# Altium PCB 191015 PCB (REV0-1).PcbDoc (part 1 of 2) (continued)
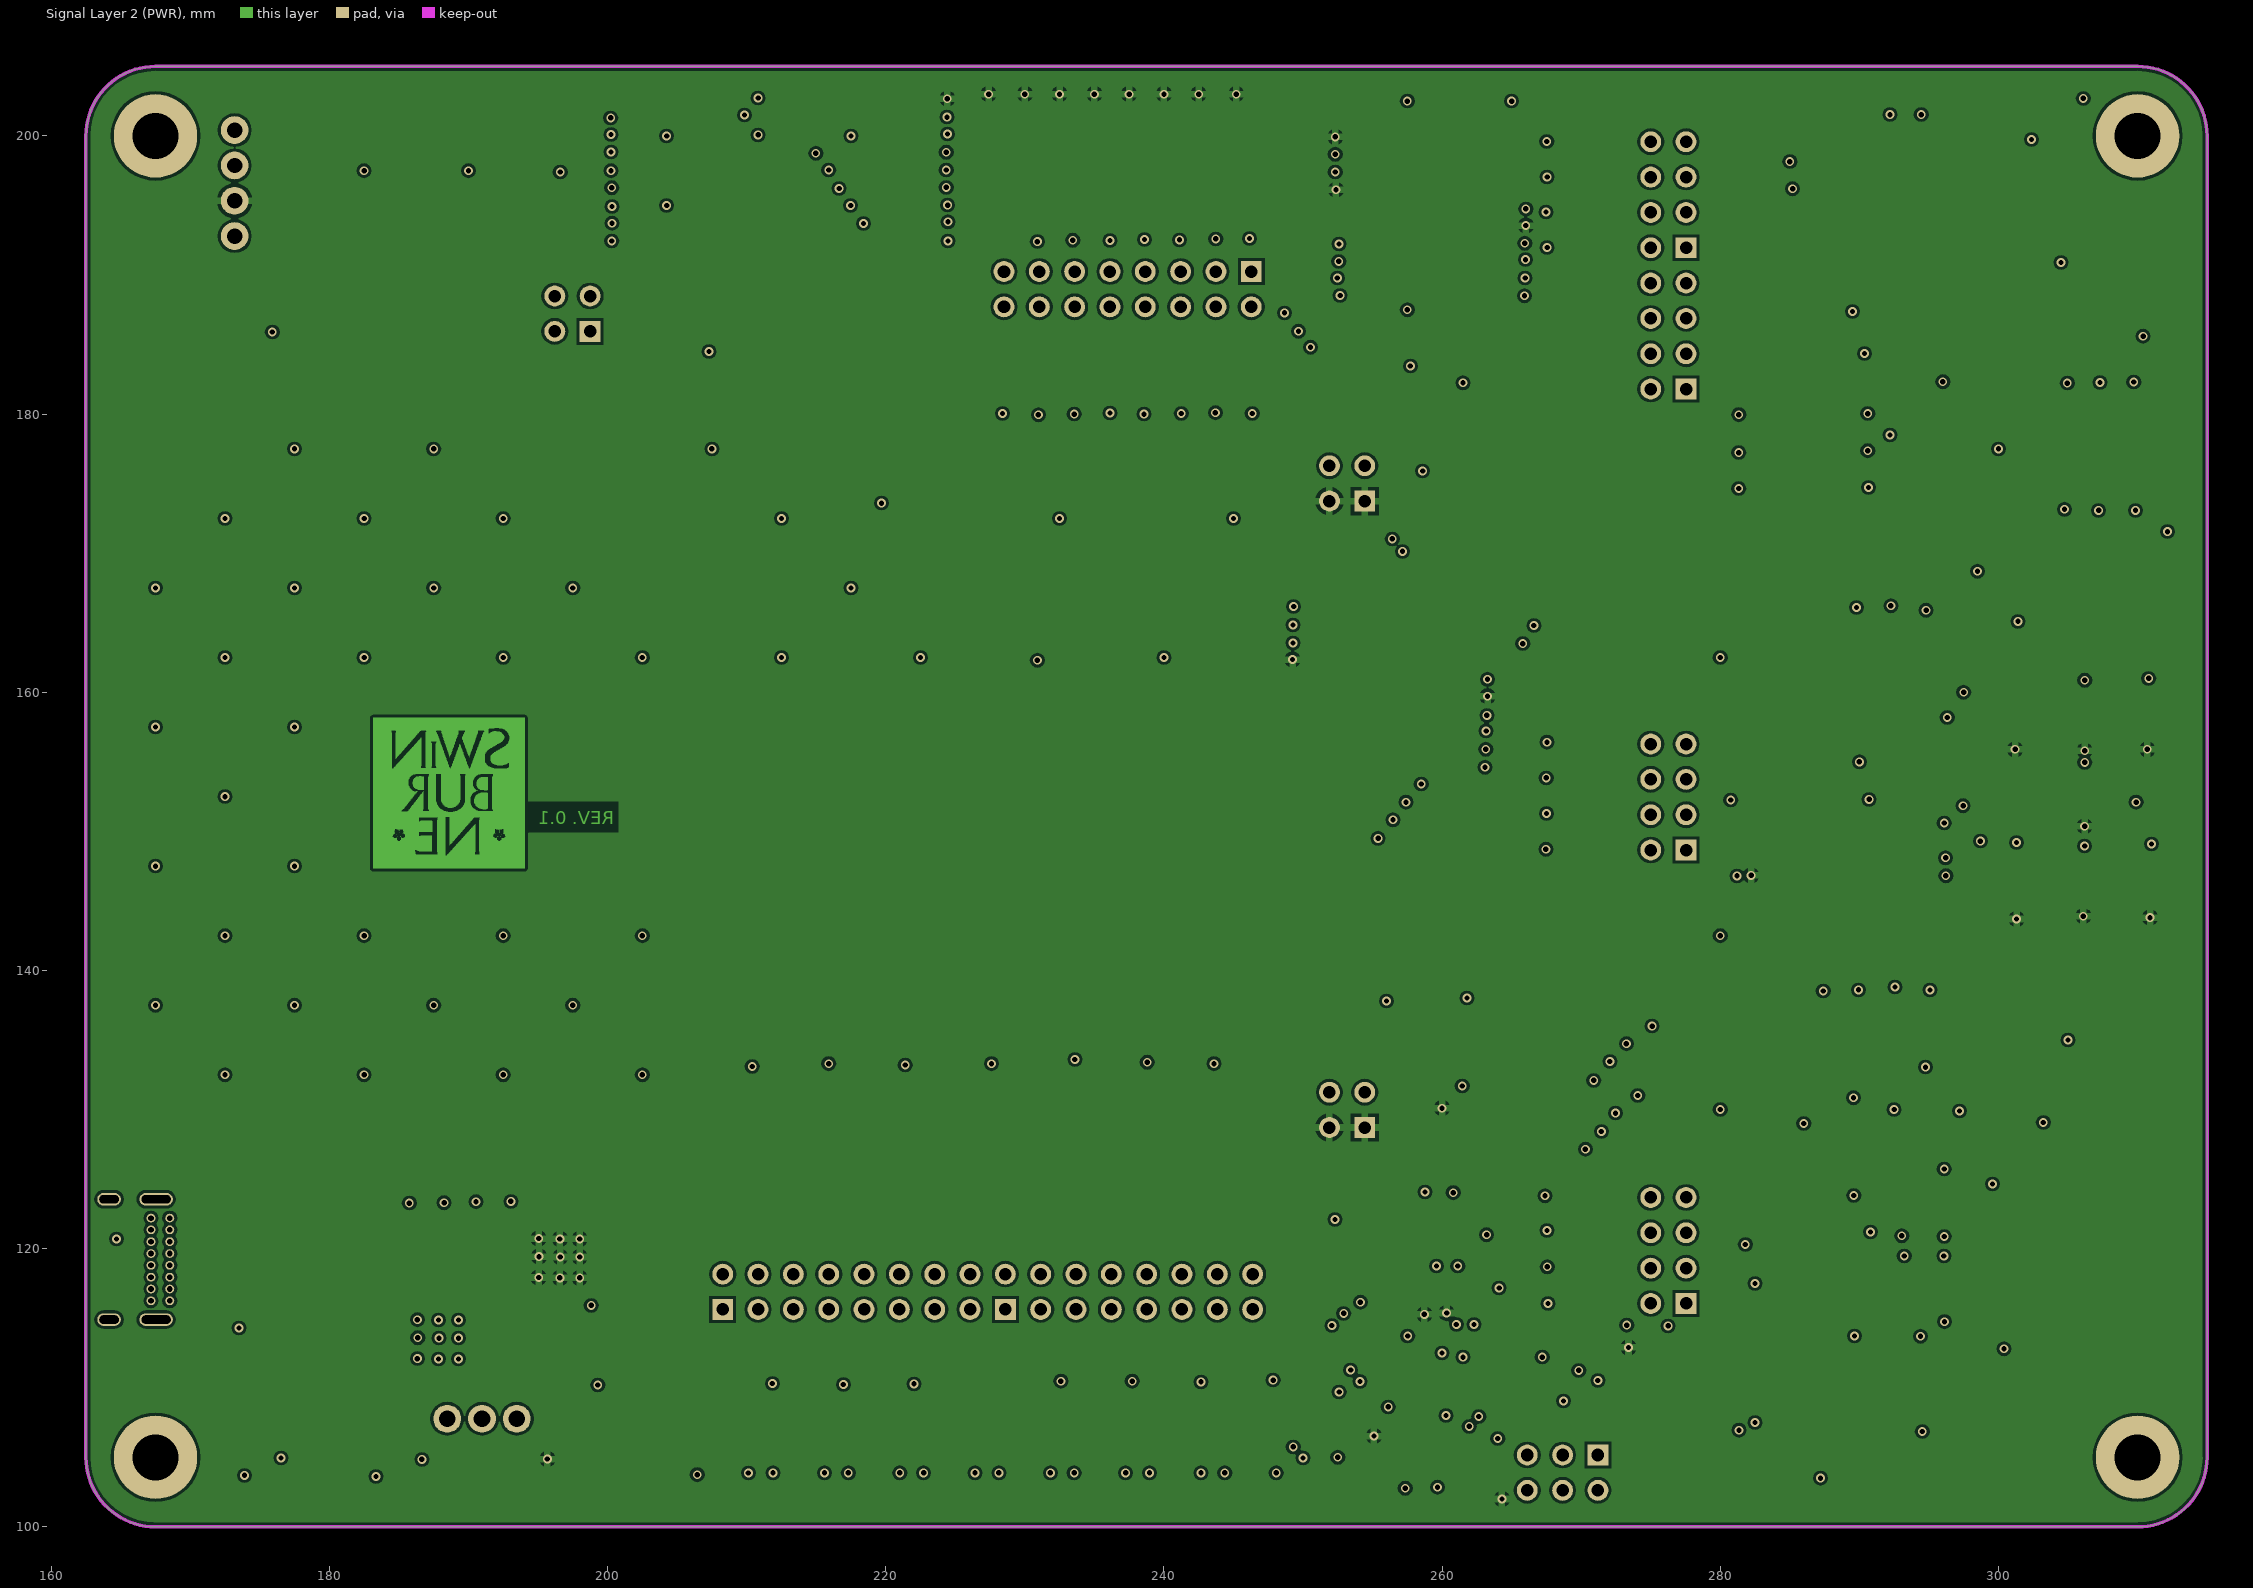
[diagram p3: Signal Layer 2 (PWR)]
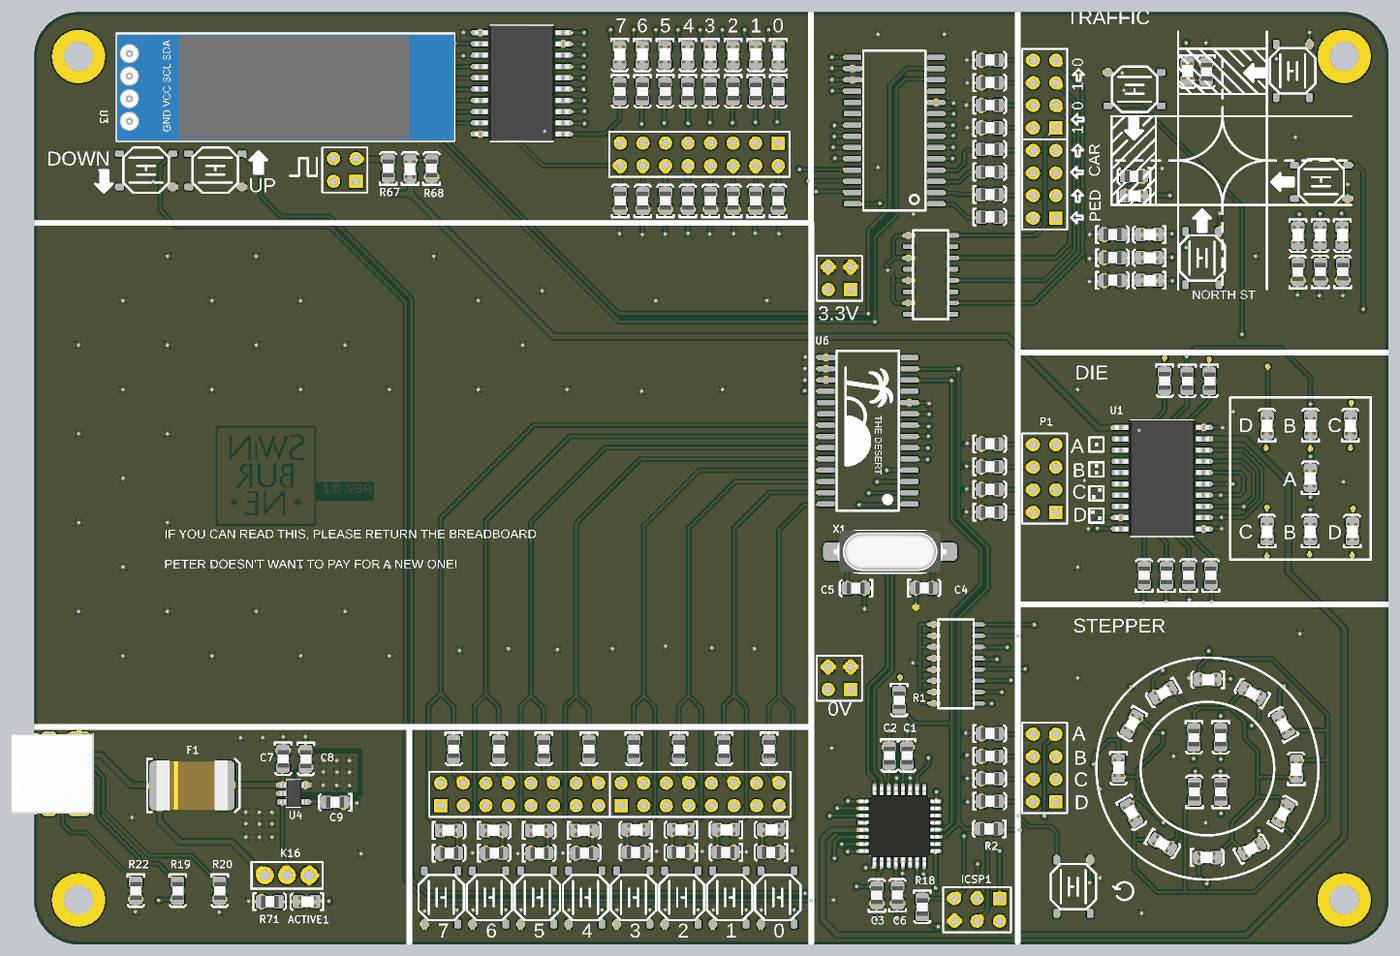
[diagram p5: 3D render of the assembled board from above, using the file's embedded part models]

## Layer stack, top to bottom
Top Solder: solder mask 0.015, Solder Resist, Dk 3.8
Top Copper: signal copper 0.035
Dielectric 1: prepreg 0.1295, PP-017, Dk 4.6
Signal Layer 1 (GND): signal copper 0.035
Core: core 1.065, Core-039, Dk 4.5
Signal Layer 2 (PWR): signal copper 0.035
Dielectric 5: prepreg 0.1295, PP-017, Dk 4.6
Bottom Copper: signal copper 0.035
Bottom Solder: solder mask 0.015, Solder Resist, Dk 3.8

## Board outline
162.5,105 ccw(c167.5,105) 167.5,100 310,100 ccw(c310,105) 315,105 315,200 ccw(c310,200) 310,205 167.5,205 ccw(c167.5,200) 162.5,200

## Design rules (kind name [scope] priority, off if disabled: settings)
BoardOutlineClearance [All] p1: gap=0.2 ignorepadtopadclearanceinfootprint=FALSE except(0.4: Arc-SplitBarrior Arc-SplitContinuation Track-SplitBarrior Track-SplitContinuation SMDPad-SplitBarrior SMDPad-SplitContinuation THPad-SplitBarrior THPad-SplitContinuation Via-SplitBarrior Via-SplitContinuation Fill-SplitBarrior Fill-SplitContinuation Poly-SplitBarrior Poly-SplitContinuation Region-SplitBarrior Region-SplitContinuation Text-SplitBarrior Text-SplitContinuation)
Clearance "Clearance Bottom Layer" [OnLayer('Bottom Layer')] p1: gap=0.203 ignorepadtopadclearanceinfootprint=TRUE except(0.254: Arc-Text Track-Text SMDPad-Text THPad-Text Via-Text Fill-Text Poly-Text Region-Text Text-Text)
Clearance "Clearance Top Layer" [OnLayer('Top Layer')] p2: gap=0.203 ignorepadtopadclearanceinfootprint=TRUE except(0.254: Arc-Text Track-Text SMDPad-Text THPad-Text Via-Text Fill-Text Poly-Text Region-Text Text-Text)
Clearance [All] p3: gap=0.2 ignorepadtopadclearanceinfootprint=FALSE except(0.089: Arc-Arc Arc-Track Arc-SMDPad Track-Track Track-SMDPad SMDPad-SMDPad; 0.127: Arc-Via Track-Via SMDPad-Via THPad-Via Via-Via; 0.254: Arc-Text Track-Text SMDPad-Text THPad-Text Via-Text Fill-Text Poly-Text Region-Text Text-Text; 0.6: Poly-Poly)
HoleSize [All] p1: absolutevalues=TRUE maxlimit=6.3 minlimit=0.2 maxpercent=80.000 minpercent=20.000
MinimumAnnularRing [All] p1: minimumring=0.076
MinimumSolderMaskSliver [All] p1: minsoldermaskwidth=0.1
PolygonConnect PolygonConnect_1 [All] p1: connectstyle=Relief reliefconductorwidth=0.508 reliefentries=4 polygonreliefangle="90 Angle" airgapwidth=0.254
RoutingCorners [All] p1: cornerstyle=Round minsetback=2.54 maxsetback=2.54
RoutingVias [All] p1: holewidth=0.5 width=1 viastyle="Through Hole" minholewidth=0.2 minwidth=0.45 maxholewidth=1 maxwidth=2
SilkToSilkClearance [All] p1: silktosilkclearance=0.1
SilkToSolderMaskClearance [IsPad] p1: minsilkscreentomaskgap=0.1 clearancetoexposedcopper=TRUE
SolderMaskExpansion [All] p1: expansion=0.102
Width [All] p1: maxlimit=2.54 minlimit=0.089 preferedwidth=0.381
25 further rules are at their usual default settings.

## Classes and differential pairs
component class "190822 Top Level": R1 R2
component class U_Display: D45 FREQUENCY1 R67 R68 U3
component class "U_Input Buttons": K1 K2 K3 K4 K5 K6 K7
component class "U_Input Pins": R14 R15 R16 R17 "STEPPER INPUT1"
component class U_Microcontroller: "BRUCE SPRINGSTEEN1" C1 C2 C3 C4 C5 C6 ICSP1 R18 X1
component class "U_Power Supply (Alternate)": ACTIVE1 C7 C8 C9 F1 K16 "POWER 1" "POWER 2" R19 R20 R22 R71 U4 USB1
component class "U_Traffic Intersection": D9 D10 D11 D12 D13 D14 D15 D16 R23 R24 R25 R26 R27 R28 R29 R30 R31 R32 R33 R34 R35 R36 R37 R38 "TRAFFIC EXPANDER1" "TRAFFIC INPUT1" "TRAFFIC OUTPUT1" U5
component class "U_Dice Module": D1 D2 D3 D4 D5 D6 D7 P1 R3 R4 R5 R6 R7 R8 R9 R10 R11 R12 R13 U1 U2
component class "U_Stepper Motor": D33 D34 D35 D36 D37 D38 D39 D40 D41 D42 D43 D44 R63 R64 R65 R66
component class "U_The Fun Buttons' Friends": D17 D18 D19 D20 D21 D22 D23 D24 "FUN BUTTON OUTPUT1" "FUN BUTTON OUTPUT2" K8 K9 K10 K11 K12 K13 K14 K15 R21 R39 R40 R41 R42 R43 R44 R45 R46 R69 R70 R72 R73 R74 R75 R76 U6
component class "U_The Lights": D25 D26 D27 D28 D29 D30 D31 D32 "LIGHTS INPUT1" R47 R48 R49 R50 R51 R52 R53 R54 R55 R56 R57 R58 R59 R60 R61 R62 U7 U8

## Components (designator, comment, footprint, x,y, rotation, side; value= is the part's Value field where it differs from the comment)
ACTIVE1 "Red" "0805 LED" 193.175,104.8 r180 top
"BRUCE SPRINGSTEEN1" "ATMEGA 328P-AU" "ATMEL TQFP-32" 259.923,113.309 r270 top
C1 "1uF" 0805 260.798,121.259 r270 top
C2 "4.7uF" 0805 258.798,121.259 r270 top
C3 "1uF" 0805 257.374,105.537 r90 top
C4 "22pF" 0805 262.73,140.147 r0 top
C5 "22pF" 0805 255.005,140.097 r180 top
C6 "100nF" 0805 259.699,105.562 r90 top
C7 "1uF" 0805 190.54,120.9 r270 top
C8 "1uF" 0805 193.091,120.863 r270 top
C9 "10nF" 0805 196.363,115.989 r180 top
D1 "Red" "0805 LED" 310.9,146.575 r90 top
D2 "Red" "0805 LED" 306.175,146.575 r90 top
D3 "Red" "0805 LED" 301.3,146.575 r90 top
D4 "Red" "0805 LED" 306.175,152.575 r90 top
D5 "Red" "0805 LED" 310.7,158.5 r90 top
D6 "Red" "0805 LED" 306.199,158.5 r90 top
D7 "Red" "0805 LED" 301.3,158.5 r90 top
D9 "Red" "0805 LED" 309.8,179.804 r270 top
D10 "Red" "0805 LED" 307.3,179.804 r270 top
D11 "Red" "0805 LED" 304.8,179.804 r270 top
D12 "Red" "0805 LED" 286.3,184.279 r180 top
D13 "Red" "0805 LED" 288.025,174.779 r180 top
D14 "Red" "0805 LED" 288.025,177.329 r180 top
D15 "Red" "0805 LED" 288.025,179.929 r180 top
D16 "Red" "0805 LED" 292.375,198.279 r270 top
D17 "Red" "0805 LED" 245.43,112.907 r180 top
D18 "Red" "0805 LED" 240.356,112.907 r180 top
D19 "Red" "0805 LED" 235.281,112.907 r180 top
D20 "Red" "0805 LED" 230.207,112.907 r180 top
D21 "Red" "0805 LED" 224.456,112.84 r0 top
D22 "Red" "0805 LED" 219.382,112.84 r0 top
D23 "Red" "0805 LED" 214.307,112.84 r0 top
D24 "Red" "0805 LED" 209.233,112.84 r0 top
D25 "Red" "0805 LED" 228.428,200.139 r270 top
D26 "Red" "0805 LED" 230.983,200.139 r270 top
D27 "Red" "0805 LED" 233.537,200.139 r270 top
D28 "Red" "0805 LED" 236.092,200.139 r270 top
D29 "Red" "0805 LED" 238.646,200.139 r270 top
D30 "Red" "0805 LED" 241.2,200.139 r270 top
D31 "Red" "0805 LED" 243.755,200.139 r270 top
D32 "Red" "0805 LED" 246.309,200.139 r270 top
D33 "Red" "0805 LED" 294.6,109.8 r0 top
D34 "Red" "0805 LED" 299.6,110.8 r30 top
D35 "Red" "0805 LED" 303.1,114.8 r60 top
D36 "Red" "0805 LED" 304.6,119.8 r90 top
D37 "Red" "0805 LED" 303.1,124.8 r120 top
D38 "Red" "0805 LED" 299.6,128.3 r150 top
D39 "Red" "0805 LED" 294.6,129.8 r180 top
D40 "Red" "0805 LED" 289.6,128.3 r210 top
D41 "Red" "0805 LED" 286.1,124.8 r240 top
D42 "Red" "0805 LED" 284.6,119.8 r270 top
D43 "Red" "0805 LED" 286.1,114.8 r300 top
D44 "Red" "0805 LED" 289.6,111.3 r330 top
D45 "LED" "0805 LED" 204.8,187.4 r90 top
F1 "0ZCF0100AF2A" 2920 176.625,117.9 r0 top
FREQUENCY1 "2.54mm" "Header 2x2" 198.75,185.95 r90 top
"FUN BUTTON OUTPUT1" "Header 2x8" "Header 2x8" 208.28,115.63 r0 top
"FUN BUTTON OUTPUT2" "Header 2x8" "Header 2x8" 228.6,115.63 r0 top
ICSP1 "2.54mm" "Header 2x3" 271.205,105.165 r180 top
K1 "TS-1187A-C-D-B" "XKB SW-4.5" 307.4,185.9 r0 top
K2 "TS-1187A-C-D-B" "XKB SW-4.5" 294,177.3 r90 top
K3 "TS-1187A-C-D-B" "XKB SW-4.5" 304.2,198.379 r90 top
K4 "TS-1187A-C-D-B" "XKB SW-4.5" 286.4,196.3 r180 top
K5 "TS-1187A-C-D-B" "XKB SW-4.5" 279.5,106.5 r90 top
K6 "TS-1187A-C-D-B" "XKB SW-4.5" 175.1,187.2 r0 top
K7 "TS-1187A-C-D-B" "XKB SW-4.5" 182.9,187.2 r0 top
K8 "TS-1187A-C-D-B" "XKB SW-4.5" 208.337,105.283 r270 top
K9 "TS-1187A-C-D-B" "XKB SW-4.5" 213.749,105.283 r270 top
K10 "TS-1187A-C-D-B" "XKB SW-4.5" 219.162,105.283 r270 top
K11 "TS-1187A-C-D-B" "XKB SW-4.5" 224.574,105.283 r270 top
K12 "TS-1187A-C-D-B" "XKB SW-4.5" 229.986,105.283 r270 top
K13 "TS-1187A-C-D-B" "XKB SW-4.5" 235.398,105.283 r270 top
K14 "TS-1187A-C-D-B" "XKB SW-4.5" 240.811,105.283 r270 top
K15 "TS-1187A-C-D-B" "XKB SW-4.5" 246.223,105.283 r270 top
K16 "SS0823" "Jaycar 2.54 SPDT Slide" 190.975,107.775 r180 top
"LIGHTS INPUT1" "Header 2x8" "Header 2x8" 246.283,190.25 r180 top
P1 "2.54mm" "Header 2x4" 277.54,148.66 r90 top
"POWER 1" "2.54mm" "Header 2x2" 254.44,173.75 r90 top
"POWER 2" "2.54mm" "Header 2x2" 254.44,128.71 r90 top
R1 "10k" 0805 259.9,127.5 r270 top
R2 "10k" 0805 270,113 r180 top
R3 "10k" 0805 270.111,148.686 r0 top
R4 "10k" 0805 270.111,151.25 r0 top
R5 "10k" 0805 270.111,153.813 r0 top
R6 "10k" 0805 270.111,156.376 r0 top
R7 "1k" 0805 289.799,163.462 r270 top
R8 "1k" 0805 292.351,163.438 r270 top
R9 "1k" 0805 294.851,163.438 r270 top
R10 "1k" 0805 294.974,141.562 r90 top
R11 "1k" 0805 292.474,141.562 r90 top
R12 "1k" 0805 289.974,141.562 r90 top
R13 "1k" 0805 287.474,141.562 r90 top
R14 "10k" 0805 270.111,123.76 r0 top
R15 "10k" 0805 270.111,121.22 r0 top
R16 "10k" 0805 270.111,118.68 r0 top
R17 "10k" 0805 270.111,116.14 r0 top
R18 "1k" 0805 262.5,104.2 r270 top
R19 "200R" 0805 178.675,106.025 r270 top
R20 "5.1k" 0805 183.394,106.025 r270 top
R21 "100R" 0805 209.75,122 r270 top
R22 "5.1k" 0805 173.956,106.025 r270 top
R23 "330R" 0805 270.111,181.932 r0 top
R24 "330R" 0805 270.111,184.472 r0 top
R25 "330R" 0805 270.111,187.012 r0 top
R26 "330R" 0805 270.111,189.552 r0 top
R27 "1k" 0805 309.825,175.754 r90 top
R28 "680R" 0805 307.3,175.754 r90 top
R29 "680R" 0805 304.775,175.729 r90 top
R30 "1k" 0805 286.325,186.504 r180 top
R31 "1k" 0805 283.925,174.8 r0 top
R32 "680R" 0805 283.925,177.35 r0 top
R33 "680R" 0805 283.925,179.95 r0 top
R34 "1k" 0805 294.5,198.279 r270 top
R35 "10k" 0805 270.111,191.986 r0 top
R36 "10k" 0805 270.111,194.526 r0 top
R37 "10k" 0805 270.111,197.066 r0 top
R38 "10k" 0805 270.111,199.606 r0 top
R39 "1k" 0805 245.43,110.357 r180 top
R40 "1k" 0805 240.356,110.357 r180 top
R41 "1k" 0805 235.281,110.357 r180 top
R42 "1k" 0805 230.207,110.357 r180 top
R43 "1k" 0805 224.456,110.29 r0 top
R44 "1k" 0805 219.382,110.29 r0 top
R45 "1k" 0805 214.307,110.29 r0 top
R46 "1k" 0805 209.233,110.29 r0 top
R47 "10k" 0805 246.257,183.75 r90 top
R48 "10k" 0805 243.717,183.75 r90 top
R49 "10k" 0805 241.177,183.75 r90 top
R50 "10k" 0805 238.637,183.75 r90 top
R51 "10k" 0805 236.097,183.75 r90 top
R52 "10k" 0805 233.557,183.75 r90 top
R53 "10k" 0805 231.017,183.75 r90 top
R54 "10k" 0805 228.477,183.75 r90 top
R55 "1k" 0805 228.453,196.051 r270 top
R56 "1k" 0805 231.004,196.051 r270 top
R57 "1k" 0805 233.555,196.051 r270 top
R58 "1k" 0805 236.106,196.051 r270 top
R59 "1k" 0805 238.657,196.051 r270 top
R60 "1k" 0805 241.208,196.051 r270 top
R61 "1k" 0805 243.759,196.051 r270 top
R62 "1k" 0805 246.309,196.051 r270 top
R63 "680R" 0805 293.1,123.3 r270 top
R64 "680R" 0805 296.1,123.3 r270 top
R65 "680R" 0805 293.126,117.2 r90 top
R66 "680R" 0805 296.1,117.2 r90 top
R67 "330R" 0805 202.349,187.412 r90 top
R68 "1k" 0805 207.23,187.4 r90 top
R69 "100R" 0805 214.821,122 r270 top
R70 "100R" 0805 219.893,122 r270 top
R71 "1k" 0805 189.037,104.826 r0 top
R72 "100R" 0805 224.964,122 r270 top
R73 "100R" 0805 230.036,122 r270 top
R74 "100R" 0805 235.107,122 r270 top
R75 "100R" 0805 240.179,122 r270 top
R76 "100R" 0805 245.25,122 r270 top
"STEPPER INPUT1" "2.54mm" "Header 2x4" 277.54,116.06 r90 top
"TRAFFIC EXPANDER1" "MCP23017" "Microchip 28-SOIC" 259.345,191.655 r90 top
"TRAFFIC INPUT1" "2.54mm" "Header 2x4" 277.54,191.96 r90 top
"TRAFFIC OUTPUT1" "2.54mm" "Header 2x4" 277.54,181.8 r90 top
U1 "SN74HC540DWR" "TI 20-SOIC" 289.5,152.5 r180 top
U2 "S16C03-8TR" "SMC 16-SOIC" 266.29,131.595 r270 top
U3 "SSD1306" "IIC 128x32 OLED" 173.192,196.608 r0 top
U4 "RS3236-3.3" "Runic SOT-23-5" 190.45,117 r270 top
U5 "S16C03-8TR" "SMC 16-SOIC" 263.44,175.41 r270 top
U6 "MCP23017" "Microchip 28-SOIC" 256.35,157.85 r90 top
U7 "SN74HC540DWR" "TI 20-SOIC" 217.4,196.975 r0 top
U8 "S16C03-8TR" "SMC 16-SOIC" 204.135,196.895 r90 top
USB1 "USB4085-GF-A" USB4085-GF-A 164.5,119.352 r270 top
X1 "" "Abracon HC-49/US" 258.875,144.225 r0 top

## Footprints (in the part's own frame and the unit in brackets; to place one, negate y for a bottom-side part, rotate by r counter-clockwise, add the part's x,y. Pads: shape width x height; smd on the part's side, far side on the other; paste and mask are expansions set on the pad)
0805 [mm]
  rrect50% 1.3x1.5 smd: 1(-0.962,-0.026) 2(0.938,-0.026)
  silkscreen extent -1.85,-0.95 1.8,0.93, body extent -1,-0.65 1,0.66, height 0.73
"0805 LED" [mm]
  rrect50% 1.3x1.5 smd: A(-0.962,-0.026) K(0.938,-0.026)
  silkscreen extent -1.85,-0.95 1.8,0.93, body extent -1.1,-0.62 0.9,0.62, height 1
2920 [mm]
  rrect50% 2.3x5.6 smd: 1(0,0) 2(7.3,0)
  silkscreen extent -1.4,-3 9,3, body extent -0.34,-2.81 7.64,2.81, height 1.14
"Abracon HC-49/US" [mm]
  rrect50% 5.6x2.1 smd: 1(-4.75,0) 2(4.75,0)
  silkscreen extent -5.85,-2.35 5.85,2.35, body extent -6.35,-2.35 6.35,2.35, height 4.06
"ATMEL TQFP-32" [mm]
  rrect50% 1.2x0.45 smd: 1(-4.125,2.8) 2(-4.125,2) 3(-4.125,1.2) 4(-4.125,0.4) 5(-4.125,-0.4) 6(-4.125,-1.2) 7(-4.125,-2) 8(-4.125,-2.8) 17(4.125,-2.8) 18(4.125,-2) 19(4.125,-1.2) 20(4.125,-0.4) 21(4.125,0.4) 22(4.125,1.2) 23(4.125,2) 24(4.125,2.8)
  rrect50% 0.45x1.2 smd: 9(-2.8,-4.125) 10(-2,-4.125) 11(-1.2,-4.125) 12(-0.4,-4.125) 13(0.4,-4.125) 14(1.2,-4.125) 15(2,-4.125) 16(2.8,-4.125) 25(2.8,4.125) 26(2,4.125) 27(1.2,4.125) 28(0.4,4.125) 29(-0.4,4.125) 30(-1.2,4.125) 31(-2,4.125) 32(-2.8,4.125)
  silkscreen extent -3.25,-3.25 3.25,3.25, body extent -4.5,-4.5 4.5,4.5, height 1.1
"Header 2x2" [mm]
  rect 1.5x1.5 hole 0.9: 1(0,0)
  round 1.5 hole 0.9: 2(0,2.54) 3(2.54,0) 4(2.54,2.54)
  silkscreen extent -1.27,-1.27 3.81,3.81
"Header 2x3" [mm]
  rect 1.5x1.5 hole 0.9: 1(0,0)
  round 1.5 hole 0.9: 2(0,2.54) 3(2.54,0) 4(2.54,2.54) 5(5.08,0) 6(5.08,2.54)
  silkscreen extent -1.27,-1.27 6.35,3.81
"Header 2x4" [mm]
  rect 1.5x1.5 hole 0.9: 1(0,0)
  round 1.5 hole 0.9: 2(0,2.54) 3(2.54,0) 4(2.54,2.54) 5(5.08,0) 6(5.08,2.54) 7(7.62,0) 8(7.62,2.54)
  silkscreen extent -1.27,-1.27 8.89,3.81
"Header 2x8" [mm]
  rect 1.5x1.5 hole 0.9: 1(0,0)
  round 1.5 hole 0.9: 2(0,2.54) 3(2.54,0) 4(2.54,2.54) 5(5.08,0) 6(5.08,2.54) 7(7.62,0) 8(7.62,2.54) 9(10.16,0) 10(10.16,2.54) 11(12.7,0) 12(12.7,2.54) 13(15.24,0) 14(15.24,2.54) 15(17.78,0) 16(17.78,2.54)
  silkscreen extent -1.27,-1.27 19.05,3.81
"IIC 128x32 OLED" [mm]
  round 2 hole 1.1: 1(0,3.81) 2(0,1.27) 3(0,-1.27) 4(0,-3.81)
  silkscreen extent -1.4,-6.1 36.6,6, body extent -1.37,-6.1 36.63,5.9, height 5.5
"Jaycar 2.54 SPDT Slide" [mm]
  round 2 hole 1.2: C(0,0) NC(2.5,0) NO(-2.5,0)
  silkscreen extent -4,-1.5 4,1.5, body extent -4,-1.5 4,1.5, height 4.3
"Microchip 28-SOIC" [mm]
  rrect50% 0.6x2 smd: 1(-8.255,-4.7) 2(-6.985,-4.7) 3(-5.715,-4.7) 4(-4.445,-4.7) 5(-3.175,-4.7) 6(-1.905,-4.7) 7(-0.635,-4.7) 8(0.635,-4.7) 9(1.905,-4.7) 10(3.175,-4.7) 11(4.445,-4.7) 12(5.715,-4.7) 13(6.985,-4.7) 14(8.255,-4.7) 15(8.255,4.7) 16(6.985,4.7) 17(5.715,4.7) 18(4.445,4.7) 19(3.175,4.7) 20(1.905,4.7) 21(0.635,4.7) 22(-0.635,4.7) 23(-1.905,4.7) 24(-3.175,4.7) 25(-4.445,4.7) 26(-5.715,4.7) 27(-6.985,4.7) 28(-8.255,4.7)
  silkscreen extent -9,-3.5 9,3.5, body extent -8.95,-5.15 8.95,5.15, height 2.65
"Runic SOT-23-5" [mil]
  rrect50% 26x45 smd: 1(-37.4,0) 2(0,0) 3(37.4,0) 4(37.4,101.97) 5(-37.4,101.97)
  silkscreen extent -59,20 59,79, body extent -60,-8 60,110, height 57
"SMC 16-SOIC" [mm]
  rrect50% 0.51x1.27 smd: 1(-4.445,-2.49) 2(-3.175,-2.49) 3(-1.905,-2.49) 4(-0.635,-2.49) 5(0.635,-2.49) 6(1.905,-2.49) 7(3.175,-2.49) 8(4.445,-2.49) 9(4.445,2.49) 10(3.175,2.49) 11(1.905,2.49) 12(0.635,2.49) 13(-0.635,2.49) 14(-1.905,2.49) 15(-3.175,2.49) 16(-4.445,2.49)
  silkscreen extent -5,-2 5,2, body extent -5,-2 5,2, height 2.65
"TI 20-SOIC" [mm]
  rrect50% 2x0.6 smd: 1(-4.65,5.715) 2(-4.65,4.445) 3(-4.65,3.175) 4(-4.65,1.905) 5(-4.65,0.635) 6(-4.65,-0.635) 7(-4.65,-1.905) 8(-4.65,-3.175) 9(-4.65,-4.445) 10(-4.65,-5.715) 11(4.65,-5.715) 12(4.65,-4.445) 13(4.65,-3.175) 14(4.65,-1.905) 15(4.65,-0.635) 16(4.65,0.635) 17(4.65,1.905) 18(4.65,3.175) 19(4.65,4.445) 20(4.65,5.715)
  silkscreen extent -3.5,-6.5 3.5,6.5, body extent -5.32,-6.5 5.32,6.5, height 2.64
USB4085-GF-A [mm]
  oval 0.62x0.65 hole 0.4: A1(-2.848,4.025) A4(-1.998,4.025) A5(-1.148,4.025) A6(-0.298,4.025) A7(0.552,4.025) A8(1.402,4.025) A9(2.252,4.025) A12(3.102,4.025) B1(3.102,2.675) B4(2.252,2.675) B5(1.402,2.675) B6(0.552,2.675) B7(-0.298,2.675) B8(-1.148,2.675) B9(-1.998,2.675) B12(-2.848,2.675)
  oval 0.9x2.4 hole 0.6 slot 2.1 at 90 deg: P1(-4.198,3.045) P2(4.452,3.045)
  oval 0.9x1.7 hole 0.6 slot 1.4 at 90 deg: P3(4.452,-0.335) P4(-4.198,-0.335)
  silkscreen extent -4.35,-2.07 4.6,4.58, body extent -4.39,-4.56 4.64,4.61, height 3.46
"XKB SW-4.5" [mm]
  rrect50% 1x0.75 smd: 1(-3,-1.9) 2(3,-1.9) 3(-3,1.85) 4(3,1.85)
  silkscreen extent -2.55,-2.55 2.55,2.55, body extent -3,-2.55 3,3, height 1.35
